# Altium PCB HAND_MULTILAYER.PcbDoc (part 1 of 3) (continued)
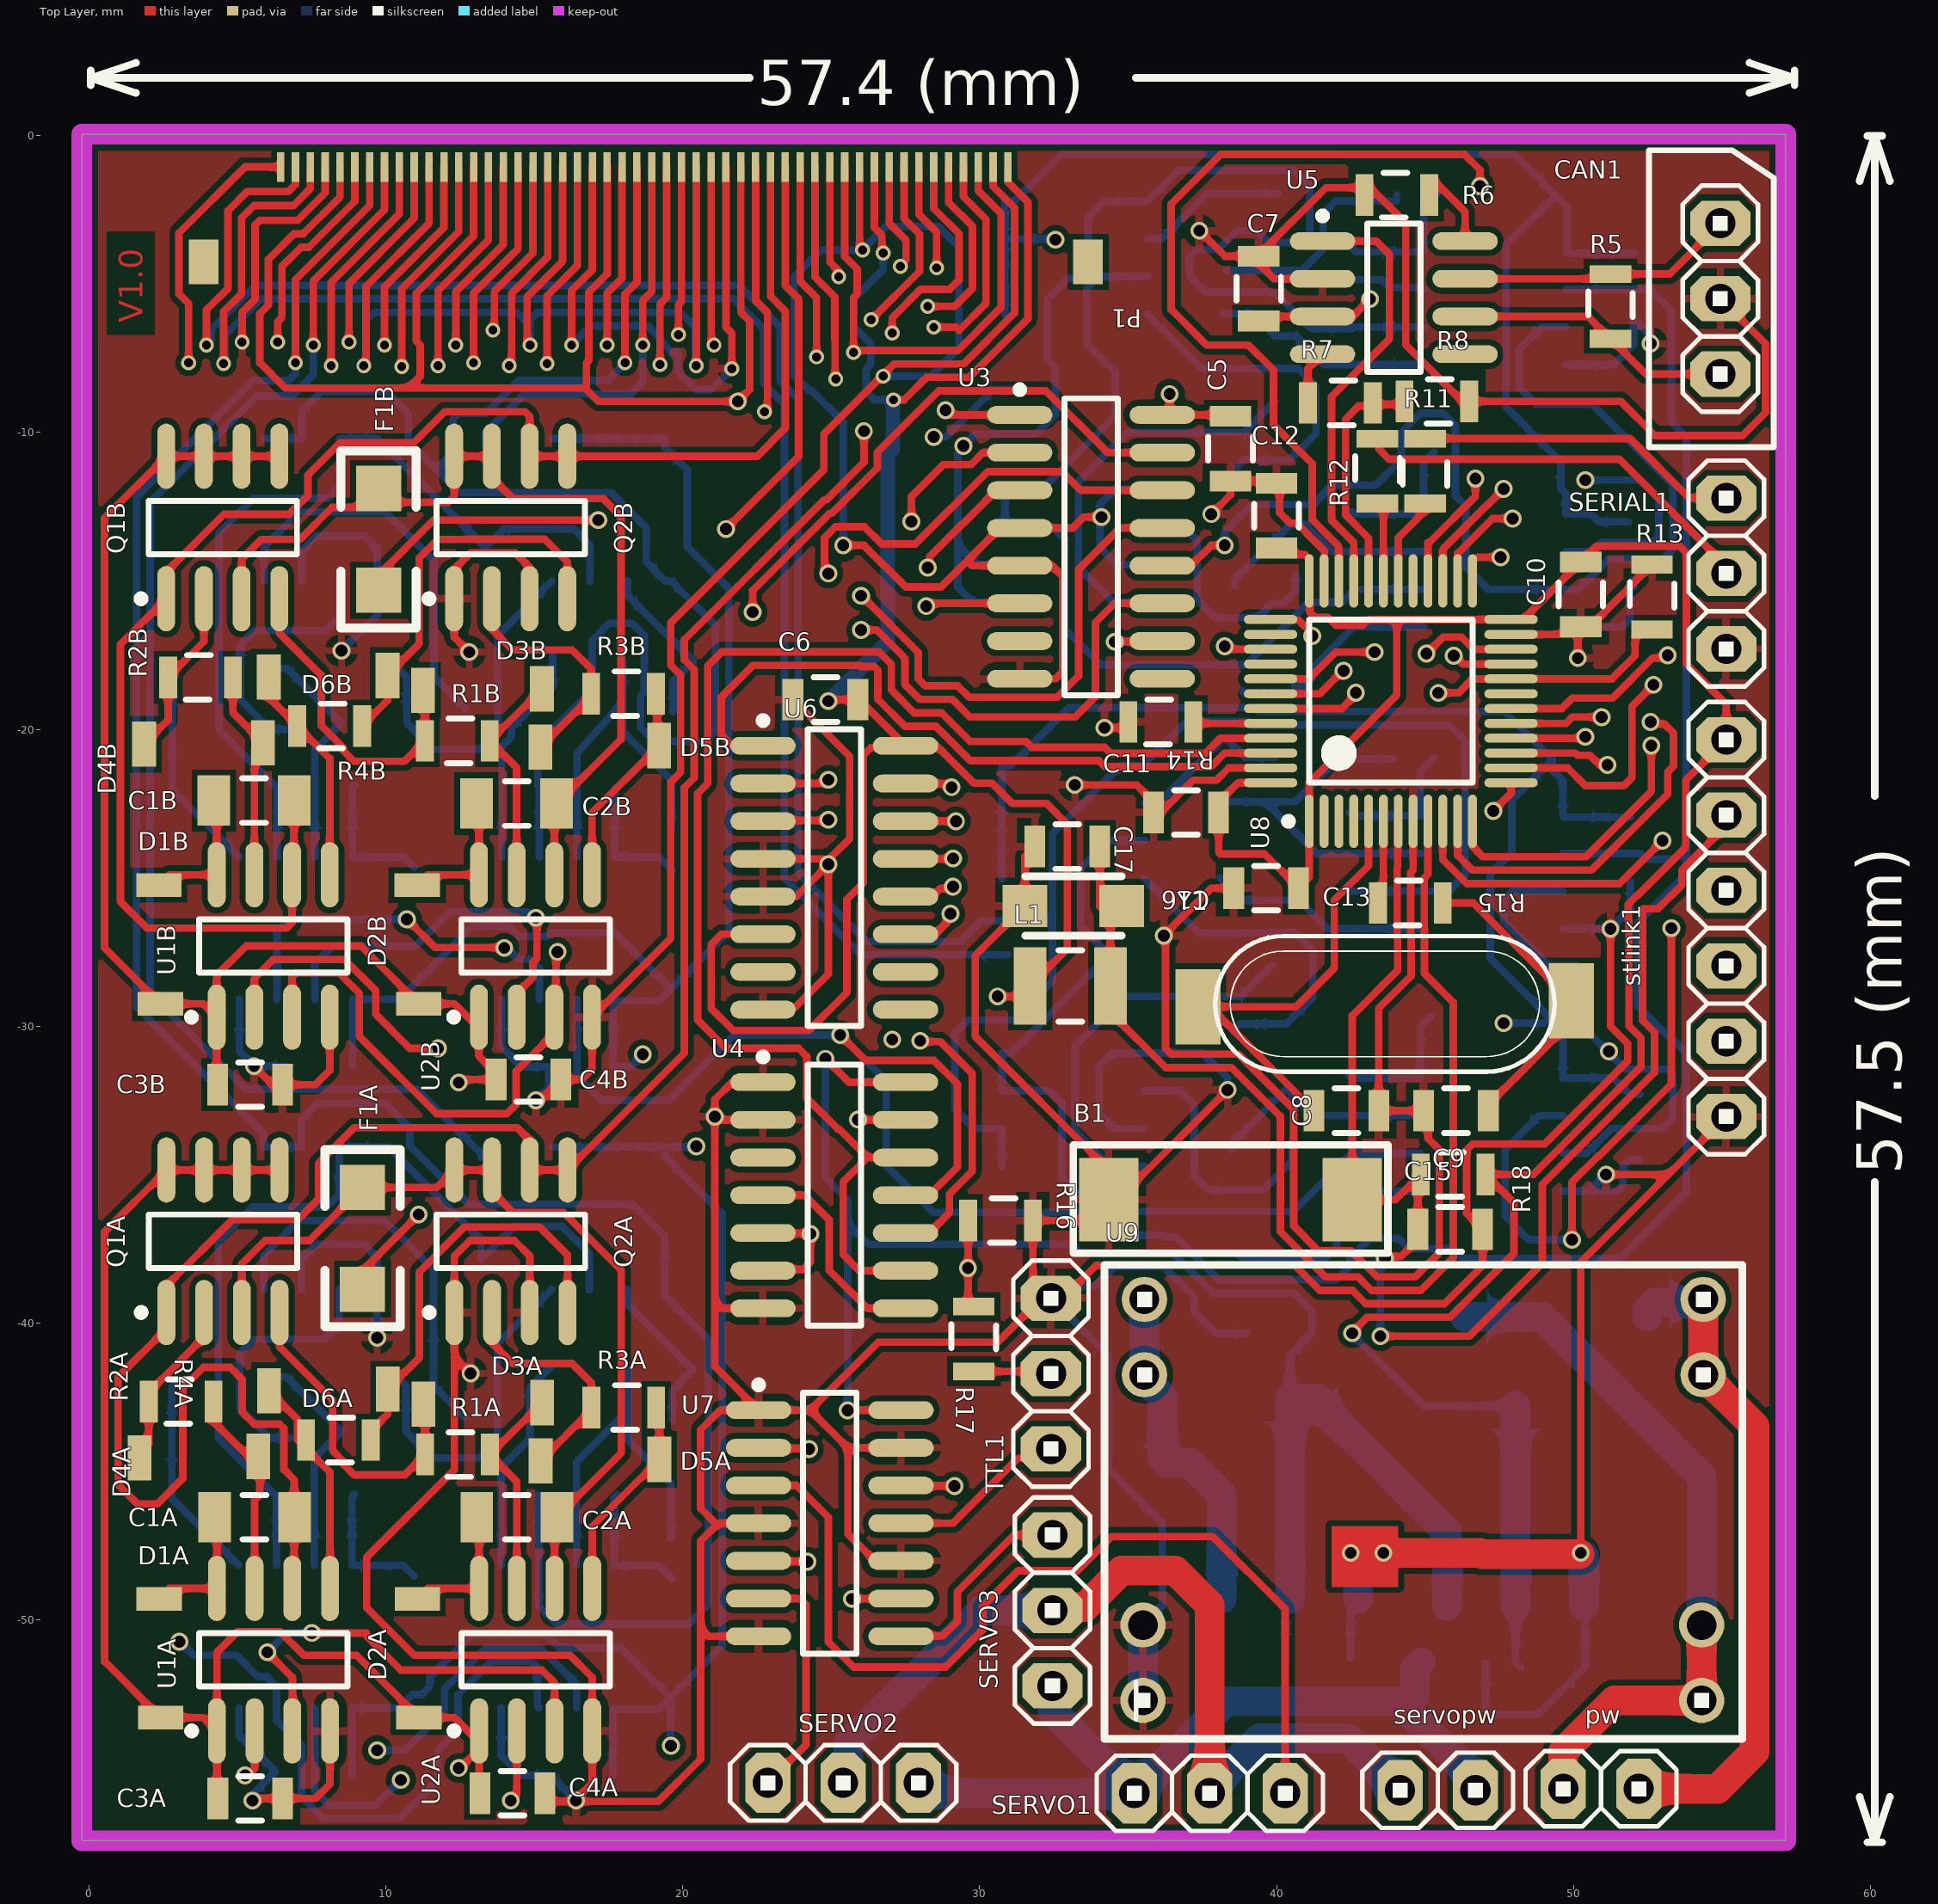
[diagram p0: Top Layer view]
## Components (designator, comment, footprint, x,y, rotation, side; value= is the part's Value field where it differs from the comment) (continued)
Q2F "IRF7303" SO-8_N 33.145,-32.817 r180 bottom (schematic designator Q2)
R1A "10" MY_RES_SMD_0805 12.407,-44.437 r180 top (schematic designator R1)
R1B "10" MY_RES_SMD_0805 12.4,-20.387 r180 top (schematic designator R1)
R1C "10" MY_RES_SMD_0805 9.6,-19.787 r0 bottom (schematic designator R1)
R1D "10" MY_RES_SMD_0805 40.35,-12.01 r90 bottom (schematic designator R1)
R1E "10" MY_RES_SMD_0805 9.583,-43.662 r0 bottom (schematic designator R1)
R1F "10" MY_RES_SMD_0805 40.332,-31.017 r90 bottom (schematic designator R1)
R2A "10" MY_RES_SMD_0805 3.1,-42.65 r0 top (schematic designator R2)
R2B "10" MY_RES_SMD_0805 3.75,-18.25 r0 top (schematic designator R2)
R2C "10" MY_RES_SMD_0805 19.167,-17.675 r180 bottom (schematic designator R2)
R2D "10" MY_RES_SMD_0805 38.355,-3.435 r270 bottom (schematic designator R2)
R2E "10" MY_RES_SMD_0805 19.15,-41.55 r180 bottom (schematic designator R2)
R2F "10" MY_RES_SMD_0805 38.22,-21.45 r270 bottom (schematic designator R2)
R3A "10" MY_RES_SMD_0805 18.007,-42.85 r180 top (schematic designator R3)
R3B "10" MY_RES_SMD_0805 18,-18.8 r180 top (schematic designator R3)
R3C "10" MY_RES_SMD_0805 4,-18.2 r0 bottom (schematic designator R3)
R3D "10" MY_RES_SMD_0805 38.85,-17.45 r90 bottom (schematic designator R3)
R3E "10" MY_RES_SMD_0805 3.983,-42.075 r0 bottom (schematic designator R3)
R3F "10" MY_RES_SMD_0805 38.745,-36.617 r90 bottom (schematic designator R3)
R4A "10" MY_RES_SMD_0805 8.392,-43.95 r180 top (schematic designator R4)
R4B "10" MY_RES_SMD_0805 8.1,-19.887 r180 top (schematic designator R4)
R4C "10" MY_RES_SMD_0805 13.767,-19.305 r0 bottom (schematic designator R4)
R4D "10" MY_RES_SMD_0805 39.955,-7.843 r90 bottom (schematic designator R4)
R4E "10" MY_RES_SMD_0805 13.75,-43.18 r0 bottom (schematic designator R4)
R4F "10" MY_RES_SMD_0805 39.85,-26.85 r90 bottom (schematic designator R4)
R5 "120" MY_RES_SMD_0805 51.25,-5.75 r270 top
R6 "120" MY_RES_SMD_0805 44.05,-2 r0 top
R7 "1.8k" MY_RES_SMD_0805 42.15,-9 r180 top
R8 "3.3K" MY_RES_SMD_0805 45.4,-8.95 r180 top
R9 "0" MY_RES_SMD_0805 45.95,-51.45 r0 bottom
R11 "100" MY_RES_SMD_0805 45,-11.3 r90 top
R12 "100" MY_RES_SMD_0805 43.4,-11.3 r270 top
R13 "100k" MY_RES_SMD_0805 52.65,-15.542 r270 top
R14 "10k" MY_RES_SMD_0805 36.1,-19.75 r0 top
R15 "220" MY_RES_SMD_0805 44.508,-25.85 r0 top
R16 "3.3K" MY_RES_SMD_0805 30.7,-36.55 r180 top
R17 "1.8k" MY_RES_SMD_0805 29.8,-40.542 r270 top
R18 "10K" MY_RES_SMD_0805 45.95,-35 r0 top
REG1 "LD1117 3.3" MY_LD1117-3.3 48.05,-46.048 r180 bottom
REG2 "LD1117 5" MY_LD1117-3.3 40.45,-45.8 r180 bottom
SERIAL1 "Header 3" My_1X03 55.15,-14.75 r90 top
SERVO1 "Header 3" My_1X03 37.75,-55.85 r180 top
SERVO2 "Header 3" My_1X03 25.4,-55.5 r0 top
SERVO3 "Header 3" My_1X03 32.45,-49.69 r270 top
servopw "Header 2" My_1X02 46.7,-55.75 r0 top
stlink1 "Header 6" My_1X06 55.15,-26.7 r90 top
TTL1 "Header 3" My_1X03 32.4,-41.71 r90 top
U1A "IR2104S" SO-8_N 6.207,-51.35 r90 top (schematic designator U1)
U1B "IR2104S" SO-8_N 6.2,-27.3 r90 top (schematic designator U1)
U1C "IR2104S" SO-8_N 15.8,-26.7 r90 bottom (schematic designator U1)
U1D "IR2104S" SO-8_N 47.35,-5.81 r180 bottom (schematic designator U1)
U1E "IR2104S" SO-8_N 15.783,-50.575 r90 bottom (schematic designator U1)
U1F "IR2104S" SO-8_N 47.245,-24.817 r180 bottom (schematic designator U1)
U2A "IR2104S" SO-8_N 15.042,-51.35 r90 top (schematic designator U2)
U2B "IR2104S" SO-8_N 15.035,-27.3 r90 top (schematic designator U2)
U2C "IR2104S" SO-8_N 6.965,-26.7 r90 bottom (schematic designator U2)
U2D "IR2104S" SO-8_N 47.35,-14.645 r180 bottom (schematic designator U2)
U2E "IR2104S" SO-8_N 6.948,-50.575 r90 bottom (schematic designator U2)
U2F "IR2104S" SO-8_N 47.245,-33.652 r180 bottom (schematic designator U2)
U3 "M74HC238M1R" SO16_N 33.75,-13.85 r0 top
U4 "HCF4001BM1" SO14_N 25.1,-35.7 r0 top
U5 "MCP2551-I/SN" SOIC-SN8_N 43.95,-5.455 r0 top
U6 "MC74HC138AD" 751B-03_N 25.1,-25 r0 top
U7 "MC74HC125AD" 751A-02_N 24.95,-46.75 r0 top
U8 "STM32F103C8T6" LQFP48_N 43.85,-19.05 r90 top locked
U9 "MP1584" mp1584 44.935,-45.966 r180 top locked
Y1 "8mhz" "My_Crystal - SMD" 43.65,-29.25 r180 top

## Footprints (in the part's own frame and the unit in brackets; to place one, negate y for a bottom-side part, rotate by r counter-clockwise, add the part's x,y. Pads: shape width x height; smd on the part's side, far side on the other; paste and mask are expansions set on the pad)
751A-02_N [mm] "SOIC, 14-Leads, Body 8.7x3.9mm, Pitch 1.27mm, IPC Medium Density"
  oval 2.2x0.6 smd: 1(-2.4,3.81) 2(-2.4,2.54) 3(-2.4,1.27) 4(-2.4,0) 5(-2.4,-1.27) 6(-2.4,-2.54) 7(-2.4,-3.81) 8(2.4,-3.81) 9(2.4,-2.54) 10(2.4,-1.27) 11(2.4,0) 12(2.4,1.27) 13(2.4,2.54) 14(2.4,3.81)
  silkscreen extent -2.52,-4.4 0.9,4.78, body extent -1.95,-4.33 1.95,4.33, height 1.75
751B-03_N [mm] "SOIC, 16-Leads, Body 9.9x3.9mm, Pitch 1.27mm, IPC Medium Density"
  oval 2.2x0.6 smd: 1(-2.4,4.445) 2(-2.4,3.175) 3(-2.4,1.905) 4(-2.4,0.635) 5(-2.4,-0.635) 6(-2.4,-1.905) 7(-2.4,-3.175) 8(-2.4,-4.445) 9(2.4,-4.445) 10(2.4,-3.175) 11(2.4,-1.905) 12(2.4,-0.635) 13(2.4,0.635) 14(2.4,1.905) 15(2.4,3.175) 16(2.4,4.445)
  silkscreen extent -2.52,-5 0.9,5.42, body extent -1.95,-4.95 1.95,4.95, height 1.75
FPC-50-POS-0.5-MM [mm]
  rect 1.5x1 smd: 0(3.2,5.2) 0(3.2,-24.6)
  rect 1x0.25 smd: 1(0,2.5) 2(0,2) 3(0,1.5) 4(0,1) 5(0,0.5) 6(0,0) 7(0,-0.5) 8(0,-1) 9(0,-1.5) 10(0,-2) 11(0,-2.5) 12(0,-3) 13(0,-3.5) 14(0,-4) 15(0,-4.5) 16(0,-5) 17(0,-5.5) 18(0,-6) 19(0,-6.5) 20(0,-7) 21(0,-7.5) 22(0,-8) 23(0,-8.5) 24(0,-9) 25(0,-9.5) 26(0,-10) 27(0,-10.5) 28(0,-11) 29(0,-11.5) 30(0,-12) 31(0,-12.5) 32(0,-13) 33(0,-13.5) 34(0,-14) 35(0,-14.5) 36(0,-15) 37(0,-15.5) 38(0,-16) 39(0,-16.5) 40(0,-17) 41(0,-17.5) 42(0,-18) 43(0,-18.5) 44(0,-19) 45(0,-19.5) 46(0,-20) 47(0,-20.5) 48(0,-21) 49(0,-21.5) 50(0,-22)
  body extent -0.1,-24.99 5.5,5.51, height 2
FUSE1206 [mil]
  rect 60x60 smd: 1(67.5,0) 2(-67.5,0)
  silkscreen extent -118,-50 117,50, body extent -67,-35 67,35, height 46
LQFP48_N [mm] "Thin QFP, 48-Leads, Body 7x7mm, Pitch 0.5mm, IPC Medium Density"
  oval 1.8x0.3 smd: 1(-4.05,2.75) 2(-4.05,2.25) 3(-4.05,1.75) 4(-4.05,1.25) 5(-4.05,0.75) 6(-4.05,0.25) 7(-4.05,-0.25) 8(-4.05,-0.75) 9(-4.05,-1.25) 10(-4.05,-1.75) 11(-4.05,-2.25) 12(-4.05,-2.75) 25(4.05,-2.75) 26(4.05,-2.25) 27(4.05,-1.75) 28(4.05,-1.25) 29(4.05,-0.75) 30(4.05,-0.25) 31(4.05,0.25) 32(4.05,0.75) 33(4.05,1.25) 34(4.05,1.75) 35(4.05,2.25) 36(4.05,2.75)
  oval 0.3x1.8 smd: 13(-2.75,-4.05) 14(-2.25,-4.05) 15(-1.75,-4.05) 16(-1.25,-4.05) 17(-0.75,-4.05) 18(-0.25,-4.05) 19(0.25,-4.05) 20(0.75,-4.05) 21(1.25,-4.05) 22(1.75,-4.05) 23(2.25,-4.05) 24(2.75,-4.05) 37(2.75,4.05) 38(2.25,4.05) 39(1.75,4.05) 40(1.25,4.05) 41(0.75,4.05) 42(0.25,4.05) 43(-0.25,4.05) 44(-0.75,4.05) 45(-1.25,4.05) 46(-1.75,4.05) 47(-2.25,4.05) 48(-2.75,4.05)
  silkscreen extent -4.17,-2.75 2.75,3.57, body extent -3.5,-3.5 3.5,3.5, height 1.6
mp1584 [mil]
  round 60 hole 39.37: 1(-369.5,266) 1(-369.5,166) 2(-371.5,-166) 2(-371.5,-266) 3(369.5,-166) 3(369.5,-266) 4(371.5,266) 4(371.5,166)
  silkscreen extent -423,-312 423,317, body extent -421,-312 421,318, height 94
My_1X02 [mil]
  oct 60x80 hole 40: 1(-100,0) 2(0,0)
  silkscreen extent -150,-50 50,50, body extent -149,-51 51,49, height 234
My_1X03 [mil]
  oct 60x80 hole 40: 1(-100,0) 2(0,0) 3(100,0)
  silkscreen extent -150,-50 150,50, body extent -152,-61 148,54, height 335
My_1X06 [mil]
  oct 60x80 hole 40: 1(-250,0) 2(-150,0) 3(-50,0) 4(50,0) 5(150,0) 6(250,0)
  silkscreen extent -300,-50 300,50, body extent -300,-51 300,49, height 234
MY_cap_smd10uf [mm]
  rect 1.5x1.42 smd: +(-1.63,0) -(1.63,0)
  silkscreen extent -1.63,-1 1.62,1, body extent -1.63,-1 1.57,0.9, height 1.9
MY_CAP_SMD-C [mm] "3.5X6"
  rect 1.5x3 smd: +(-2.8,0.1) -(3.35,0.1)
  silkscreen extent -2.75,-1.65 3.3,1.85, body extent -2.6,-1.5 3.2,1.7, height 2.6
MY_CAP_SMD_0805 [mm]
  rect 0.7x1.4 smd: 1(-1.092,0) 2(1.092,0)
  silkscreen extent -0.4,-0.75 0.4,0.75, body extent -1,-0.62 1,0.63, height 0.78
MY_CAP_SMD_1206 [mm]
  rect 1.1x1.7 smd: 1(-1.35,0) 2(1.35,0)
  silkscreen extent -0.4,-0.75 0.4,0.75, body extent -1.52,-0.76 1.68,0.84, height 1.2
"My_Crystal - SMD" [mm]
  rect 1.524x2.54 smd: 1(-6.275,-0.1) 2(6.3,0.1)
  silkscreen extent -5.71,-2.29 5.71,2.29, body extent -6.28,-2.5 6.22,2.3, height 3.92
MY_DIOD1N5822_SMD [mm]
  rect 0.8x1.524 smd: A(-2.05,0) K(1.95,0.05)
  body extent -1.9,-0.8 1.8,0.8, height 1.27
MY_LD1117-3.3 [mm]
  rect 1.1x1.55 smd: 1(-2.3,-3.502) 2(0,-3.502) 3(2.3,-3.502)
  rect 3.45x1.55 smd: 4(0,3.248)
  silkscreen extent -3.35,-4.95 3.35,1.72, body extent -3.3,-3.85 3.2,3.05, height 1.6
MY_PINGERD3 [mil]
  oct 60x80 hole 40: 1(-100,0) 2(0,0) 3(100,0)
  silkscreen extent -197,-71 197,94, body extent -198,-71 198,95, height 243
MY_RES_SMD_0805 [mm]
  rect 0.6x1.4 smd: 1(-1.092,0) 2(1.092,0)
  silkscreen extent -0.5,-0.75 0.35,0.75, body extent -1,-0.62 1,0.63, height 0.78
MY_SMD_INDUCTOR [mm]
  rect 1.1x2.6 smd: 1(-1.35,0) 2(1.35,0)
  silkscreen extent -0.4,-1.2 0.4,1.2, body extent -1.5,-0.96 1.7,0.7, height 0.53
"SMD PUSH BUTTON" [mm]
  rect 2x2.8 smd: 1(-4.2,0) 2(4,0)
  silkscreen extent -5.4,-1.8 5.2,1.85, body extent -3.6,-1.8 3.6,1.7, height 5
SO14_N [mm] "SOIC, 14-Leads, Body 8.7x3.9mm, Pitch 1.27mm, IPC Medium Density"
  oval 2.2x0.6 smd: 1(-2.4,3.81) 2(-2.4,2.54) 3(-2.4,1.27) 4(-2.4,0) 5(-2.4,-1.27) 6(-2.4,-2.54) 7(-2.4,-3.81) 8(2.4,-3.81) 9(2.4,-2.54) 10(2.4,-1.27) 11(2.4,0) 12(2.4,1.27) 13(2.4,2.54) 14(2.4,3.81)
  silkscreen extent -2.52,-4.4 0.9,4.78, body extent -1.95,-4.33 1.95,4.33, height 1.75
SO16_N [mm] "SOIC, 16-Leads, Body 9.9x3.9mm, Pitch 1.27mm, IPC Medium Density"
  oval 2.2x0.6 smd: 1(-2.4,4.445) 2(-2.4,3.175) 3(-2.4,1.905) 4(-2.4,0.635) 5(-2.4,-0.635) 6(-2.4,-1.905) 7(-2.4,-3.175) 8(-2.4,-4.445) 9(2.4,-4.445) 10(2.4,-3.175) 11(2.4,-1.905) 12(2.4,-0.635) 13(2.4,0.635) 14(2.4,1.905) 15(2.4,3.175) 16(2.4,4.445)
  silkscreen extent -2.52,-5 0.9,5.42, body extent -1.95,-4.95 1.95,4.95, height 1.75
SO-8_N [mm] "SOIC, 8-Leads, Body 4.9x3.9mm, Pitch 1.27mm, IPC Medium Density"
  oval 2.2x0.6 smd: 1(-2.4,1.905) 2(-2.4,0.635) 3(-2.4,-0.635) 4(-2.4,-1.905) 5(2.4,-1.905) 6(2.4,-0.635) 7(2.4,0.635) 8(2.4,1.905)
  silkscreen extent -2.52,-2.5 0.9,2.88, body extent -1.95,-2.45 1.95,2.45, height 1.75
SOIC-SN8_N [mm] "SOIC, 8-Leads, Body 4.9x3.8mm, Pitch 1.27mm, IPC Medium Density"
  oval 2.2x0.6 smd: 1(-2.4,1.905) 2(-2.4,0.635) 3(-2.4,-0.635) 4(-2.4,-1.905) 5(2.4,-1.905) 6(2.4,-0.635) 7(2.4,0.635) 8(2.4,1.905)
  silkscreen extent -2.52,-2.5 0.9,2.88, body extent -2,-2.5 2,2.5, height 1.75

## Part data
B1: library part SMD_PUSH_BUTTON
C1A C1B C1C C1D C1E C1F C2A C2B C2C C2D C2E C2F: library part "CAP SMD_1206", "3.2 mm × 1.6 mm"
C3A C3B C3C C3D C3E C3F C4A C4B C4C C4D C4E C4F C7 C14: library part "CAP SMD_0805", "2.0 mm × 1.25 mm"
C5 C6 C8 C9 C10 C11 C12 C13 C15 C17 C18 C19 C21: library part "CAP SMD"
C16: library part cap_smd_10u
C20: library part CAP_TANTAL_C, "6X3.2MM"
CAN1: "3pin"
D1A D1B D1C D1D D1E D1F D2A D2B D2C D2D D2E D2F D3A D3B D3C D3D D3E D3F D4A D4B D4C D4D D4E D4F D5A D5B D5C D5D D5E D5F D6A D6B D6C D6D D6E D6F: library part 1N5822-smd-5*2mm
L1: library part "INDUCTOR SMD"
P1: library part FPC-50-POS-0.5-MM
pw servopw: "Header, 2-Pin", LatestRevisionDate=17-Jul-2002, LatestRevisionNote="Re-released for DXP Platform.", Publisher="Altium Limited"
Q1A Q1B Q1C Q1D Q1E Q1F Q2A Q2B Q2C Q2D Q2E Q2F: "HEXFET Power MOSFET", Code_IPC=SOIC127P600-8, Code_JEDEC=MS-012-AA, ComponentLink1Description="Manufacturer Link", ComponentLink1URL=http://www.irf.com/, ComponentLink2Description=Datasheet, ComponentLink2URL=http://www.irf.com/product-info/datasheets/data/irf7303.pdf, DatasheetVersion=Aug-1997, LatestRevisionDate=13-Apr-2006, LatestRevisionNote="IPC-7351 Footprint Added.", PackageDescription="8-Pin Plastic Small Outline Integrated Circuit 1.27 mm Pitch", PackageReference=SO-8, PackageVersion=Feb-2001, Published=8-Jun-2000, Publisher="Altium Limited"
R1A R1B R1C R1D R1E R1F R2A R2B R2C R2D R2E R2F R3A R3B R3C R3D R3E R3F R4A R4B R4C R4D R4E R4F R5 R6 R7 R8 R11 R12 R16 R17: library part "RES SMD 0805"
R9 R13 R14 R15 R18: library part "RES SMD"
REG2: library part "LD1117 3.3"
SERIAL1 SERVO1 SERVO2 SERVO3 TTL1: "Header, 3-Pin", LatestRevisionDate=17-Jul-2002, LatestRevisionNote="Re-released for DXP Platform.", Publisher="Altium Limited"
  SERVO1: LINK=https://www.digikey.ca/en/products/detail/molex/0099990987/2405394
stlink1: "Header, 6-Pin", LatestRevisionDate=17-Jul-2002, LatestRevisionNote="Re-released for DXP Platform.", Publisher="Altium Limited"
U1A U1B U1C U1D U1E U1F U2A U2B U2C U2D U2E U2F: "High and Low Side Driver", Code_IPC=SOIC127P600-8, Code_JEDEC=MS-012-AA, ComponentLink1Description="Manufacturer Link", ComponentLink1URL=http://www.irf.com/, ComponentLink2Description=Datasheet, ComponentLink2URL=http://www.irf.com/product-info/datasheets/data/ir2104.pdf, DatasheetVersion=PD600461, LatestRevisionDate=13-Apr-2006, LatestRevisionNote="IPC-7351 Footprint Added.", PackageDescription="8-Pin Plastic Small Outline Integrated Circuit 1.27 mm Pitch", PackageReference=SO-8, PackageVersion=Feb-2001, Published=8-Jun-2000, Publisher="Altium Limited"
U3: "3-to-8 Line Decoder", Code_IPC=SOIC127P600-16, ComponentLink1Description="Manufacturer Link", ComponentLink1URL=http://www.st.com/, ComponentLink2Description=Datasheet, ComponentLink2URL=http://www.st.com/stonline/products/literature/ds/1926/m74hc238.pdf, DatasheetVersion=Oct-1993, LatestRevisionDate=13-Apr-2006, LatestRevisionNote="IPC-7351 Footprint Added.", PackageDescription="16-Pin Small Outline Integrated Circuit 1.27 mm Pitch", PackageReference=SO16, PackageVersion=May-1998, Published=8-Jun-2000, Publisher="Altium Limited"
U4: "Quad 2-Input NOR Gate", Code_IPC=SOIC127P600-14, ComponentLink1Description="Manufacturer Link", ComponentLink1URL=http://www.st.com/, ComponentLink2Description=Datasheet, ComponentLink2URL=http://www.st.com/stonline/products/literature/ds/8098/hcf4001.pdf, DatasheetVersion=Sep-1988, LatestRevisionDate=13-Apr-2006, LatestRevisionNote="IPC-7351 Footprint Added.", PackageDescription="14-Pin Small Outline Integrated Circuit 1.27 mm Pitch", PackageReference=SO14, PackageVersion=Sep-1998, Published=8-Jun-2000, Publisher="Altium Limited"
U5: "High-Speed CAN Transceiver, 8-Pin SOIC, Industrial Temperature", Code_IPC=SOIC127P600-8, Code_JEDEC=MS-012, ComponentLink1Description="Manufacturer Link", ComponentLink1URL=http://www.microchip.com, ComponentLink2Description=Datasheet, ComponentLink2URL=http://ww1.microchip.com/downloads/en/DeviceDoc/21667E.pdf, ComponentLink3Description="Packaging Specification", ComponentLink3URL=http://ww1.microchip.com/downloads/en/PackagingSpec/00049AW.pdf, DatasheetVersion="revE, Jan-2007", PackageDescription="8-Lead Plastic Small Outline (SN) - Narrow, 3.90mm Body [SOIC]", PackageReference=SOIC-SN8, PackageVersion="revAW, Oct-2008", Published=29-Jan-2009, Publisher="Altium Limited"
U6: "1-of-8 Decoder/Demultiplexer", Code_IPC=SOIC127P600-16, Code_JEDEC=MS-012-AC, ComponentLink1Description="Manufacturer Link", ComponentLink1URL=http://www.onsemi.com/site/products/parametrics/0,4446,419,00.html, ComponentLink2Description=Datasheet, ComponentLink2URL=http://www.onsemi.com/pub/Collateral/MC74HC138A-D.PDF, DatasheetVersion=1989, LatestRevisionDate=13-Apr-2006, LatestRevisionNote="IPC-7351 Footprint Added.", PackageDescription="16-Pin Small Outline Integrated Circuit 1.27 mm Pitch", PackageReference=751B-03, PackageVersion=1991, Published=17-Jul-2002, Publisher="Altium Limited"
U7: "Quad 3-State Non-Inverting Buffer", Code_IPC=SOIC127P600-14, ComponentLink1Description="Manufacturer Link", ComponentLink1URL=http://www.onsemi.com/site/products/parametrics/0,4446,178,00.html, DatasheetVersion=1989, LatestRevisionDate=13-Apr-2006, LatestRevisionNote="IPC-7351 Footprint Added.", PackageDescription="14-Pin Small Outline Integrated Circuit 1.27 mm Pitch", PackageReference=751A-02, PackageVersion=1991, Published=17-Jul-2002, Publisher="Altium Limited"
U8: "STM32 ARM-based 32-bit MCU with 64 Kbytes Flash, 48-pin LQFP, Industrial Temperature", ComponentLink1Description="Manufacturer Link", ComponentLink1URL=www.st.com/stm32, ComponentLink2Description=Datasheet, ComponentLink2URL=http://www.st.com/stonline/products/literature/ds/13587.pdf, DatasheetVersion="rev6, Mar-2008", LINK=https://www.digikey.ca/en/products/detail/stmicroelectronics/stm32f103c8t6/1646338, PackageDescription="48-Pin Low-Profile Quad Flat Pack, 7 x 7 mm Body, 0.5 mm Pitch (LQFP48)", PackageReference=LQFP48, PackageVersion=Mar-2008, Published=30-May-2008, Publisher="Altium Limited"
U9: "SWITCHING REGULATOR MODULE", PACKAGE="8-SOIC (0.154\", 3.90mm Width) Exposed Pad", LINK=https://www.digikey.ca/en/products/detail/monolithic-power-systems-inc/MP1584EN-LF-Z/5291742, PART=MP1584EN-LF-Z
Y1: library part CRYSTAL, "Crystal"

## Via types
v1: diameter 0.6, hole 0.4, Top Layer to Bottom Layer, tented both sides, 113 vias
v2: diameter 0.5, hole 0.3, Top Layer to Bottom Layer, tented both sides, 43 vias

## Nets (pads, with @x,y where several pads share a name; then routed paths per layer and width w, separated by ;. In a path a pad name is that pad's centre, name@x,y a point inside that pad or via, vN(x,y) a via of type N, cw(c..) or ccw(c..) an arc to the next point about the centre after c; other vN are vias at no path point)
+3.3: C6.2 C10.2 C11.2 C12.2 C13.2 C18.2 L1.1 P1.1 P1.10 P1.19 P1.28 P1.37 P1.46 R18.2 REG1.2 REG1.4 stlink1.6 U6.6 U6.16 U8.1 U8.24 U8.36 U8.48 | length 261.5
  Top Layer w0.254: P1.46@8.45,-1.05 8.45,-2.064 7.21,-3.304 6.896,-3.304 6.039,-4.161 6.039,-5.7 5.75,-5.989 5.75,-7.65 6.6,-8.5 10.75,-8.5 ; P1.37@12.95,-1.05 12.95,-3.376 11.021,-5.305 11.021,-6.921 11.15,-7.05 11.15,-8.1 10.75,-8.5 ; P1.28@17.45,-1.05 17.45,-4.655 16.827,-5.278 16.827,-7.573 16.75,-7.65 16.75,-8.45 16.7,-8.5 ; P1.19@21.95,-1.05 21.95,-5.95 22.25,-6.25 22.25,-8.55 v1(21.85,-8.95) 17.15,-8.95 16.7,-8.5 ; U6.6@22.7,-26.905 21.295,-26.905 20.954,-27.246 20.954,-29.404 21.7,-30.15 24.242,-30.15 25.523,-28.869 25.523,-25.727 26.073,-25.177 26.073,-20.877 26.329,-20.621 27.434,-20.621 U6.16@27.5,-20.555 ; v1(24.9,-19.05) 24.95,-19 C6.2@25.892,-19 ; C6.2@25.869,-18.924 U6.16@27.5,-20.555 ; P1.10@26.45,-1.05 26.45,-3.092 26.703,-3.345 26.703,-3.903 v2(26.75,-3.95) ; v2(27.1,-8.9) 27.45,-8.9 28.208,-8.142 29.642,-8.142 31.627,-6.158 31.627,-2.242 30.95,-1.566 P1.1@30.95,-1.05 ; v1(30.6,-29) 31.35,-29 L1.1@31.7,-28.65 32.95,-27.4 32.95,-23.2 32.25,-22.5 31.1,-22.5 30.416,-21.816 29.806,-21.816 28.545,-20.555 U6.16@27.5,-20.555 ; U8.48@39.8,-21.8 38.7,-21.8 38.05,-22.45 38.05,-24.15 38.1,-24.2 39.592,-24.2 C13.2@40.742,-25.35 41.1,-24.992 U8.1@41.1,-23.1 41.1,-21.8 44.05,-18.85 44.05,-16.3 ; C12.2@40.1,-13.892 40.323,-14.115 40.953,-14.115 41.1,-14.262 U8.36@41.1,-15 41.109,-15.009 41.109,-15.791 41.123,-15.806 41.123,-16.056 41.294,-16.227 41.727,-16.227 42,-16.5 42.892,-16.5 43.092,-16.3 44.05,-16.3 ; v1(42.55,-40.35) 42.55,-40.312 43.05,-39.812 45.838,-39.812 48,-37.65 48,-35.958 R18.2@47.042,-35 48.65,-35 52.281,-31.369 52.281,-30.402 51.875,-29.996 51.875,-26.462 51.85,-26.437 51.85,-25.885 52.139,-25.596 52.162,-25.596 53.785,-23.973 53.785,-21.715 stlink1.6@55.15,-20.35 55.15,-19.149 53.807,-17.806 53.807,-14.057 53.573,-13.823 50.785,-13.823 C10.2@50.25,-14.358 48.308,-16.3 U8.24@47.9,-16.3 44.05,-16.3 ; 10.75,-8.5 16.7,-8.5
  POWER w0.6: v1(30.6,-29) 32.45,-30.85 43.85,-30.85 46.4,-28.3 47.25,-28.3 49.9,-30.95 49.9,-31.9 55.85,-37.85 55.85,-43.15 53.9,-45.1 46.95,-45.1 42.55,-40.7 v1(42.55,-40.35)
  GND w0.254: v1(21.85,-8.95) 22.3,-8.5 23.65,-8.5 24.4,-9.25 26.75,-9.25 v2(27.1,-8.9)
  Bottom Layer w0.254: v2(26.75,-3.95) 26.75,-4.5 25.765,-5.485 25.765,-6.439 26.327,-7.001 26.327,-7.707 26.173,-7.861 26.173,-8.623 26.45,-8.9 v2(27.1,-8.9) ; v1(42.55,-40.35) 42.55,-40.387 44.963,-42.8 REG1.4@48.05,-42.8 ; REG1.2@48.05,-49.55 48.05,-51.434 C18.2@48.216,-51.6
  Bottom Layer w0.5: v1(24.9,-19.05) 26.9,-17.05 26.9,-10.75 27.073,-10.577 27.073,-8.927 v2(27.1,-8.9)
  Bottom Layer w1: REG1.2@48.05,-49.55 REG1.4@48.05,-42.8
+7: C19.2 REG2.3 U9.3 | length 12
  Bottom Layer w0.254: REG2.3@38.15,-49.7 REG2.3@38.15,-49.302
  Bottom Layer w1: U9.3@35.55,-39.21 U9.3@35.55,-41.75 35.55,-41.892 36.15,-42.492 C19.2@36.15,-44.558 36.3,-44.708 37.058,-44.708 38.15,-45.8 REG2.3@38.15,-49.302
ADC0: P1.9 U8.10 | length 65.7
  Top Layer w0.254: P1.9@26.95,-1.05 26.95,-2.95 27.519,-3.519 27.519,-4.181 27.327,-4.373 v2(27.327,-4.399) ; U8.10@45.6,-23.1 45.6,-24.388 46.412,-25.2 51.55,-25.2 v1(53,-23.75)
  GND w0.254: v2(27.327,-4.399) 25.945,-5.781 24.823,-5.781 23.992,-4.951 23.992,-3.224 25.024,-2.192 43.992,-2.192 52,-10.2 52,-18.826 52.299,-19.125 52.86,-19.125 52.862,-19.127 53.101,-19.127 53.25,-19.276 53.25,-23.4 53.066,-23.584 53.066,-23.684 v1(53,-23.75)
ADC1: P1.18 U8.11 | length 66.5
  Top Layer w0.254: P1.18@22.45,-1.05 22.45,-5.55 22.85,-5.95 22.85,-9.2 v2(22.75,-9.3) ; U8.11@46.1,-23.1 46.1,-24.245 46.6,-24.746 50.612,-24.746 53.173,-22.185 53.173,-21.44 53.372,-21.242 53.372,-20.125 53.065,-19.818 52.666,-19.818 v1(52.6,-19.752)
  GND w0.254: v2(22.75,-9.3) 23.75,-9.3 25.027,-10.577 26.494,-10.577 27.719,-9.352 27.719,-8.602 28.321,-8 46.426,-8 49.319,-10.893 49.319,-15.05 48.504,-15.865 48.504,-19.883 50.448,-21.827 51.41,-21.827 51.873,-21.364 51.873,-20.415 52.536,-19.752 v1(52.6,-19.752)
ADC2: P1.27 U8.12 | length 70.2
  Top Layer w0.254: v2(17.45,-7.05) 17.45,-5.297 17.95,-4.797 P1.27@17.95,-1.05 ; U8.12@46.6,-23.1 46.6,-23.95 46.942,-24.292 50.424,-24.292 52.623,-22.093 v1(52.623,-20.551)
  GND w0.254: v2(17.45,-7.05) 17.45,-9.7 18.711,-10.961 22.324,-10.961 22.394,-11.031 26.682,-11.031 28.173,-9.54 28.173,-8.79 28.509,-8.454 31.196,-8.454 32.138,-9.396 47.18,-9.396 48.865,-11.081 48.865,-14.735 48.05,-15.55 48.05,-20.787 49.998,-22.735 52.065,-22.735 52.719,-22.081 52.719,-21.411 52.623,-21.315 v1(52.623,-20.551)
ADC3: P1.36 U8.13 | length 60.1
  Top Layer w0.254: v2(11.75,-7.75) 11.75,-5.218 13.45,-3.518 P1.36@13.45,-1.05 ; v1(47.3,-22.75) 47.9,-22.15 U8.13@47.9,-21.8
  GND w0.254: v2(11.75,-7.75) 11.75,-8.5 14.4,-11.15 16.25,-11.15 17.493,-12.393 21.83,-12.393 22.337,-12.9 25.713,-12.9 27.99,-15.177 28.873,-15.177 32.046,-12.004 44.468,-12.004 46.036,-13.573 47.923,-13.573 48.4,-14.05 48.4,-14.55 47.3,-15.65 v1(47.3,-22.75)
ADC4: P1.45 U8.14 | length 77.5
  Top Layer w0.254: v2(6.35,-6.95) 6.35,-6.266 6.496,-6.12 6.496,-4.404 7.142,-3.758 7.398,-3.758 8.95,-2.206 P1.45@8.95,-1.05 ; U8.14@47.9,-21.3 49.808,-21.3 50.408,-21.9 51.7,-21.9 51.973,-21.627 51.973,-19.227 52.7,-18.5 v1(52.7,-18.498)
  GND w0.254: v2(6.35,-6.95) 6.35,-3.55 8.2,-1.7 44.55,-1.7 52.546,-9.696 52.546,-17.76 52.634,-17.848 52.634,-18.432 v1(52.7,-18.498)
ADC5: P1.50 U8.18 | length 81.7
  Top Layer w0.254: v2(3.35,-7.65) 3.35,-5.654 3.023,-5.327 3.023,-3.277 5.25,-1.05 P1.50@6.45,-1.05 ; U8.18@47.9,-19.3 49.608,-19.3 49.962,-18.946 51.317,-18.946 52.663,-17.6 53.026,-17.6 53.122,-17.504 v1(53.177,-17.504)
  GND w0.254: v2(3.35,-7.65) 3.35,-3.2 5.5,-1.05 44.9,-1.05 53.215,-9.365 53.215,-17.466 v1(53.177,-17.504)
BMP_CS0: P1.6 U6.15 | length 27.3
  Top Layer w0.254: v2(27.05,-6.65) 27.05,-6.134 28.011,-5.173 28.985,-5.173 29.304,-4.854 29.304,-3.304 28.45,-2.45 P1.6@28.45,-1.05 ; U6.15@27.5,-21.825 29.125,-21.825 29.15,-21.85 v1(29.05,-21.95)
  POWER w0.254: v2(27.05,-6.65) 27.05,-7.3 28.173,-8.423 29.06,-8.423 30.693,-10.056 30.693,-19.407 29.55,-20.55 29.55,-21.45 v1(29.05,-21.95)
BMP_CS1: P1.15 U6.14 | length 29.1
  Top Layer w0.254: P1.15@23.95,-1.05 23.95,-4.909 24.504,-5.463 v2(24.504,-7.454) ; U6.14@27.5,-23.095 29.195,-23.095 v1(29.2,-23.1)
  POWER w0.254: v2(24.504,-7.454) 24.504,-9.8 25.554,-10.85 28.363,-10.85 30.239,-12.726 30.239,-19.219 28.423,-21.035 28.423,-22.323 v1(29.2,-23.1)
BMP_CS2: P1.24 U6.13 | length 33.7
  Top Layer w0.254: v2(19.227,-7.709) 19.227,-5.673 19.45,-5.45 P1.24@19.45,-1.05 ; U6.13@27.5,-24.365 29.085,-24.365 v1(29.1,-24.35)
  POWER w0.254: v2(19.227,-7.709) 19.309,-7.709 22.904,-11.304 28.175,-11.304 29.785,-12.914 29.785,-19.031 27.969,-20.847 27.969,-23.219 v1(29.1,-24.35)
BMP_CS3: P1.33 U6.12 | length 40.9
  Top Layer w0.254: v2(13.6,-6.55) 13.65,-6.5 13.65,-5.245 14.95,-3.944 P1.33@14.95,-1.05 ; U6.12@27.5,-25.635 28.394,-25.635 28.662,-25.366 29.034,-25.366 v1(29.1,-25.3)
  POWER w0.254: v2(13.6,-6.55) 13.527,-6.623 13.527,-8.077 13.796,-8.346 19.304,-8.346 22.858,-11.9 28.129,-11.9 29.331,-13.102 29.331,-18.819 27.457,-20.693 27.457,-23.593 29.1,-25.236 v1(29.1,-25.3)
BMP_CS4: P1.42 U6.11 | length 47.1
  Top Layer w0.254: v2(8.15,-7.75) 8.15,-4.934 10.45,-2.634 P1.42@10.45,-1.05 ; U6.11@27.5,-26.905 28.495,-26.905 28.947,-26.453 28.947,-26.279 v1(29.013,-26.213)
  POWER w0.254: v2(8.15,-7.75) 9.2,-8.8 19.116,-8.8 22.67,-12.354 27.941,-12.354 28.877,-13.29 28.877,-18.631 27.003,-20.505 27.003,-24.203 v1(29.013,-26.213)
BOOT0: R14.2 U8.44 | length 2.7
  Top Layer w0.254: R14.2@37.2,-19.95 37.35,-19.8 U8.44@39.8,-19.8
BRIDGE_VDDA: C3A.2 C3B.2 C3C.2 C3D.2 C3E.2 C3F.2 C4A.2 C4B.2 C4C.2 C4D.2 C4E.2 C4F.2 C20.+ D1A.A D1B.A D1C.A D1D.A D1E.A D1F.A D2A.A D2B.A D2C.A D2D.A D2E.A D2F.A pw.1 Q1A.5 Q1A.6 Q1A.7 Q1A.8 Q1B.5 Q1B.6 Q1B.7 Q1B.8 Q1C.5 Q1C.6 Q1C.7 Q1C.8 Q1D.5 Q1D.6 Q1D.7 Q1D.8 Q1E.5 Q1E.6 Q1E.7 Q1E.8 Q1F.5 Q1F.6 Q1F.7 Q1F.8 U1A.1 U1B.1 U1C.1 U1D.1 U1E.1 U1F.1 U2A.1 U2B.1 U2C.1 U2D.1 U2E.1 U2F.1 U9.2 | length 467.4
  Top Layer w0.254: C3B.2@4.326,-31.975 4.295,-31.944 U1B.1@4.295,-29.7 ; C3A.2@4.333,-56.025 4.302,-55.994 U1A.1@4.302,-53.75 ; Q1B.5@6.405,-10.8 Q1B.6@5.135,-10.8 Q1B.7@3.865,-10.8 Q1B.8@2.595,-10.8 0.518,-12.877 0.518,-27.368 D1B.A@2.4,-29.25 3.845,-29.25 U1B.1@4.295,-29.7 ; Q1A.5@6.412,-34.85 Q1A.6@5.142,-34.85 Q1A.7@3.872,-34.85 Q1A.8@2.602,-34.85 0.519,-36.933 0.519,-51.412 D1A.A@2.407,-53.3 3.852,-53.3 U1A.1@4.302,-53.75 ; v1(12.45,-55) 12.5,-55 U2A.1@13.133,-54.367 ; v1(12.45,-31.9) 12.55,-31.8 C4B.2@13.708,-31.8 ; U2B.1@13.126,-30.075 12.301,-29.25 D2B.A@11.1,-29.25 9.15,-27.3 5.293,-27.3 4.295,-28.298 U1B.1@4.295,-29.7 ; U2B.1@13.13,-29.7 13.13,-31.014 C4B.2@13.812,-31.696 ; C4A.2@13.133,-56.125 U2A.1@13.133,-54.367 ; U2A.1@13.133,-54.125 12.308,-53.3 D2A.A@11.107,-53.3 9.007,-51.2 7.228,-51.2 6.428,-50.4 5,-50.4 4.302,-51.098 U1A.1@4.302,-53.75 ; U2A.1@13.137,-53.75 13.137,-54.363 U2A.1@13.133,-54.367
  Top Layer w1: pw.1@52.2,-55.7 54.85,-55.7 56.1,-54.45 56.1,-43.479 U9.2@54.371,-41.75 U9.2@54.371,-39.21
  POWER w0.254: v1(12.45,-55) 13.2,-54.25 v1(19.6,-54.25) ; v1(12.45,-31.9) 12.9,-32.35 12.9,-32.75 ; v1(20.45,-34.05) 22,-35.6 49.237,-35.6 52.847,-39.21 ; v1(32.55,-3.5) 31.601,-4.449 31.601,-19.783 31.6,-19.784 31.6,-25.155 29.374,-27.381 28.769,-27.381 26.423,-29.727 26.423,-32.123 28.75,-34.45 48.7,-34.45 53.46,-39.21 ; v1(47.65,-29.9) 47.65,-32.489 U9.2@54.371,-39.21
  POWER w1: v1(18.65,-30.95) 14.7,-30.95 12.9,-32.75 9.55,-36.1 9.55,-37.3 10.75,-38.5 26.05,-38.5 28.05,-36.5 45.55,-36.5 48.26,-39.21 52.847,-39.21 53.46,-39.21 U9.2@54.371,-39.21
  Bottom Layer w0.254: 8.842,-55.25 8.853,-55.239 U2E.1@8.853,-52.975 10.433,-52.975 D2E.A@10.883,-52.525 11.206,-52.525 11.479,-52.252 11.479,-51.929 12.912,-50.496 13.292,-50.496 15.381,-50.496 15.835,-50.95 17.908,-50.95 D1E.A@19.583,-52.625 ; C4C.2@8.87,-31.364 U2C.1@8.87,-29.1 10.45,-29.1 D2C.A@10.9,-28.65 12.9,-26.65 14.15,-26.65 14.481,-26.981 15.409,-26.981 15.54,-26.85 17.7,-26.85 D1C.A@19.6,-28.75 ; Q1E.5@15.578,-34.075 Q1E.6@16.848,-34.075 Q1E.7@18.118,-34.075 Q1E.8@19.388,-34.075 ; Q1C.5@15.595,-10.2 Q1C.6@16.865,-10.2 Q1C.7@18.135,-10.2 Q1C.8@19.405,-10.2 19.405,-10.513 20.15,-11.258 20.15,-13.85 21.55,-15.25 21.55,-26.8 D1C.A@19.6,-28.75 ; C3E.2@17.642,-55.25 17.642,-53.021 19.187,-53.021 D1E.A@19.583,-52.625 ; v1(18.65,-30.95) 18.225,-31.375 C3C.2@17.659,-31.375 17.659,-29.146 19.204,-29.146 D1C.A@19.6,-28.75 ; v1(19.6,-54.25) 19.583,-54.233 D1E.A@19.583,-52.625 ; v1(20.45,-34.05) 20.425,-34.075 Q1E.8@19.388,-34.075 ; Q1F.5@30.745,-25.022 Q1F.6@30.745,-23.752 Q1F.7@30.745,-22.482 Q1F.8@30.745,-21.212 31.058,-21.212 32.993,-19.277 39.243,-19.277 39.367,-19.4 47.678,-19.4 D1F.A@49.295,-21.017 ; Q1D.5@30.85,-6.015 Q1D.6@30.85,-4.745 Q1D.7@30.85,-3.475 ; v1(32.55,-3.5) 32.525,-3.475 Q1D.7@30.85,-3.475 ; v1(47.65,-29.9) 49.012,-29.9 D2F.A@49.195,-29.717 ; U1F.1@49.645,-22.912 49.645,-21.729 49.295,-21.379 D1F.A@49.295,-21.017 ; U1F.1@49.691,-22.958 C3F.2@51.92,-22.958 ; C4D.2@51.85,-13.008 50.859,-13.008 50.591,-12.74 U2D.1@49.75,-12.74 49.75,-12.051 49.573,-11.874 49.573,-10.983 D2D.A@49.3,-10.71 47.725,-9.135 47.725,-3.685 D1D.A@49.4,-2.01 ; C3D.2@52.025,-3.951 49.796,-3.951 49.796,-2.406 D1D.A@49.4,-2.01 ; C4F.2@52.25,-32.308 51.9,-32.308 51.339,-31.747 U2F.1@49.645,-31.747 49.645,-30.167 D2F.A@49.195,-29.717 ; Q1E.8@19.388,-34.075 19.388,-34.388 21.323,-36.323 21.323,-50.885 D1E.A@19.583,-52.625 ; Q1D.7@30.85,-3.475 Q1D.8@30.85,-2.205 31.163,-2.205 32.741,-0.627 48.017,-0.627 D1D.A@49.4,-2.01 ; D2F.A@49.195,-29.717 47.196,-27.718 47.196,-24.877 47.927,-24.146 47.927,-22.385 D1F.A@49.295,-21.017
  Bottom Layer w1: C20.+@52.5,-39.8 52.5,-39.56 52.75,-39.31 54.271,-39.31 U9.2@54.371,-39.21
CAN_H: CAN1.3 R5.1 U5.7 | length 9.4
  Top Layer w0.254: U5.7@46.35,-4.82 51.088,-4.82 R5.1@51.25,-4.658 53.242,-4.658 CAN1.3@54.95,-2.95
CAN_L: CAN1.1 R5.2 U5.6 | length 9.4
  Top Layer w0.254: U5.6@46.35,-6.09 50.498,-6.09 R5.2@51.25,-6.842 52.438,-8.03 CAN1.1@54.95,-8.03
CAN_RX: R7.1 R8.2 U8.32 | length 7.9
  Top Layer w0.254: U8.32@43.1,-15 43.1,-13.555 42.323,-12.778 42.323,-9.554 42.777,-9.1 43.1,-9.1 R7.1@43.196,-9.004 ; R7.1@43.242,-9.05 R8.2@44.258,-9.05
CAN_TX: U5.1 U8.33 | length 14.6
  Top Layer w0.254: U5.1@41.55,-3.55 43.35,-3.55 43.8,-4 43.8,-6.85 41.85,-8.8 41.85,-12.95 42.6,-13.7 U8.33@42.6,-15
CW/CCW: U4.5 U4.6 U4.13 U8.25 | length 45.4
  Top Layer w0.254: U4.6@22.7,-38.24 22.74,-38.2 24.05,-38.2 24.3,-37.95 v1(24.3,-37) 24.285,-36.985 22.715,-36.985 U4.5@22.7,-36.97 ; v1(25.9,-33.15) 25.905,-33.155 27.495,-33.155 U4.13@27.5,-33.16 ; U8.25@46.6,-15 46.6,-14.262 46.621,-14.241 46.731,-14.241 46.772,-14.2 v1(47.55,-14.2)
  GND w0.254: v1(24.3,-37) 24.273,-36.973 24.273,-34.777 v1(25.9,-33.15) 25.95,-33.2 28.558,-33.2 28.662,-33.096 33.454,-33.096 44.55,-22 44.55,-18.55 44.954,-18.146 46.551,-18.146 46.7,-17.997 46.7,-15.05 v1(47.55,-14.2)